# Altium PCB ALCT_MEZ_LX150T.PcbDoc (part 1 of 8) (continued)
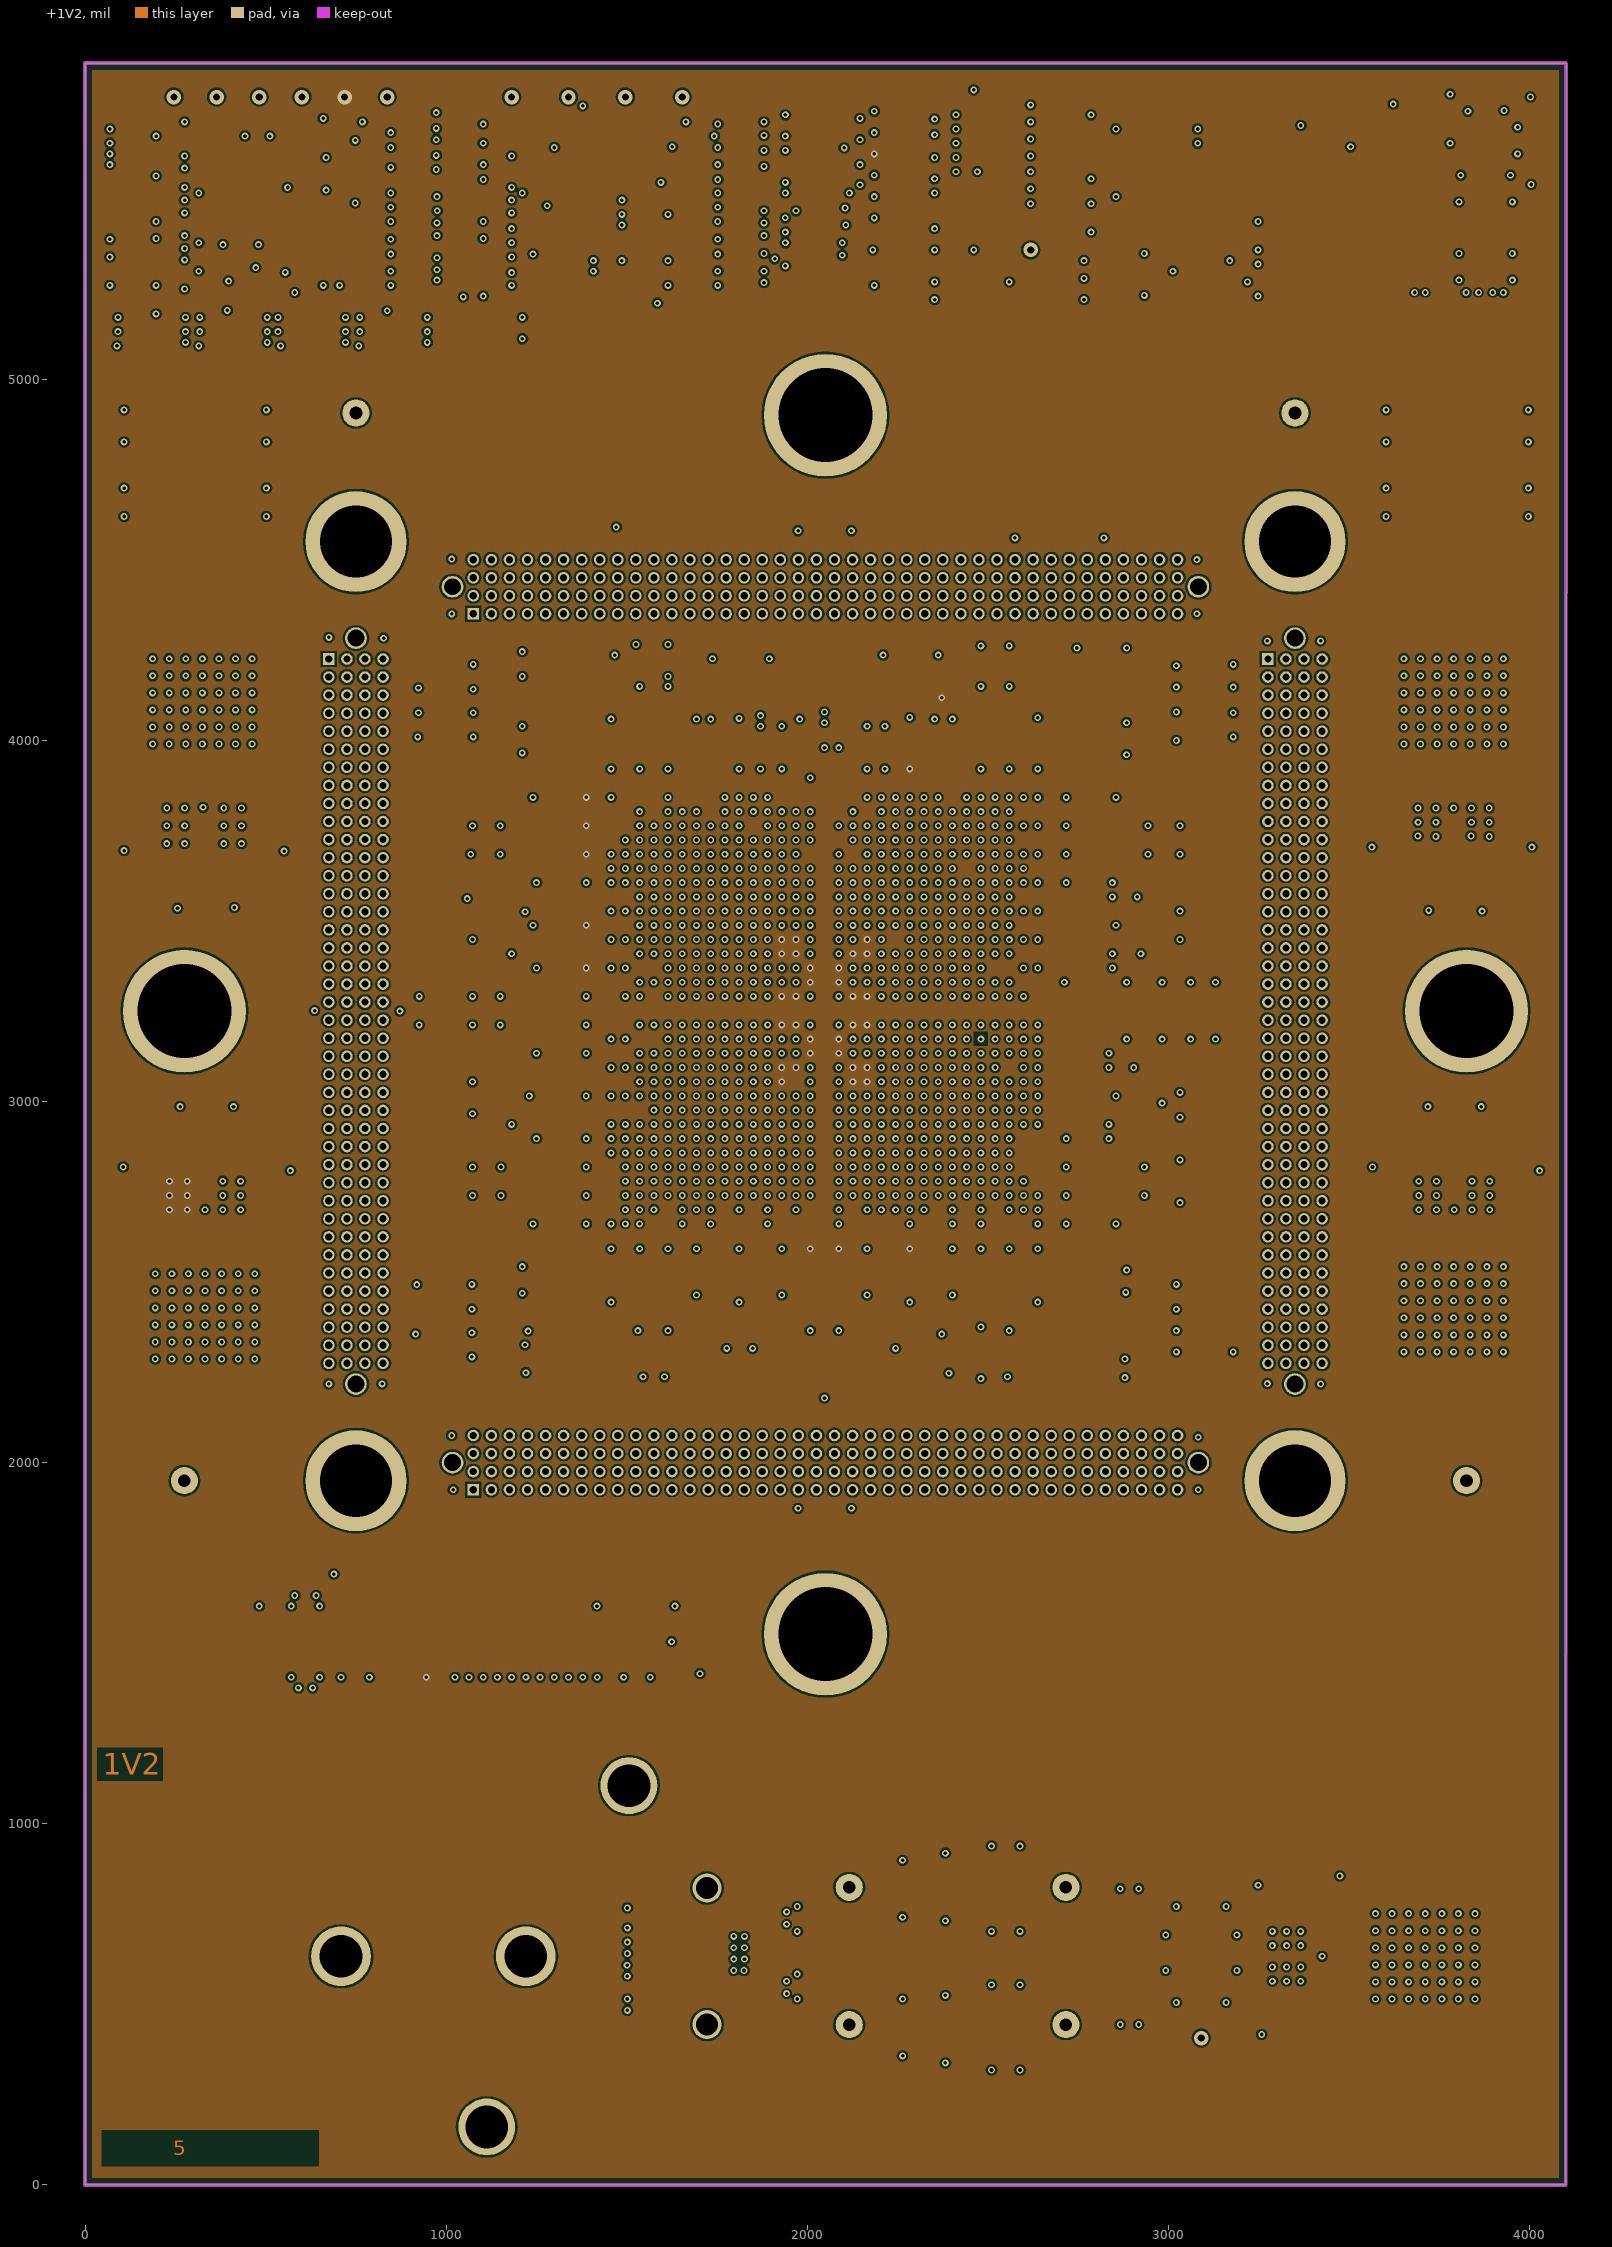
[diagram p5: +1V2]
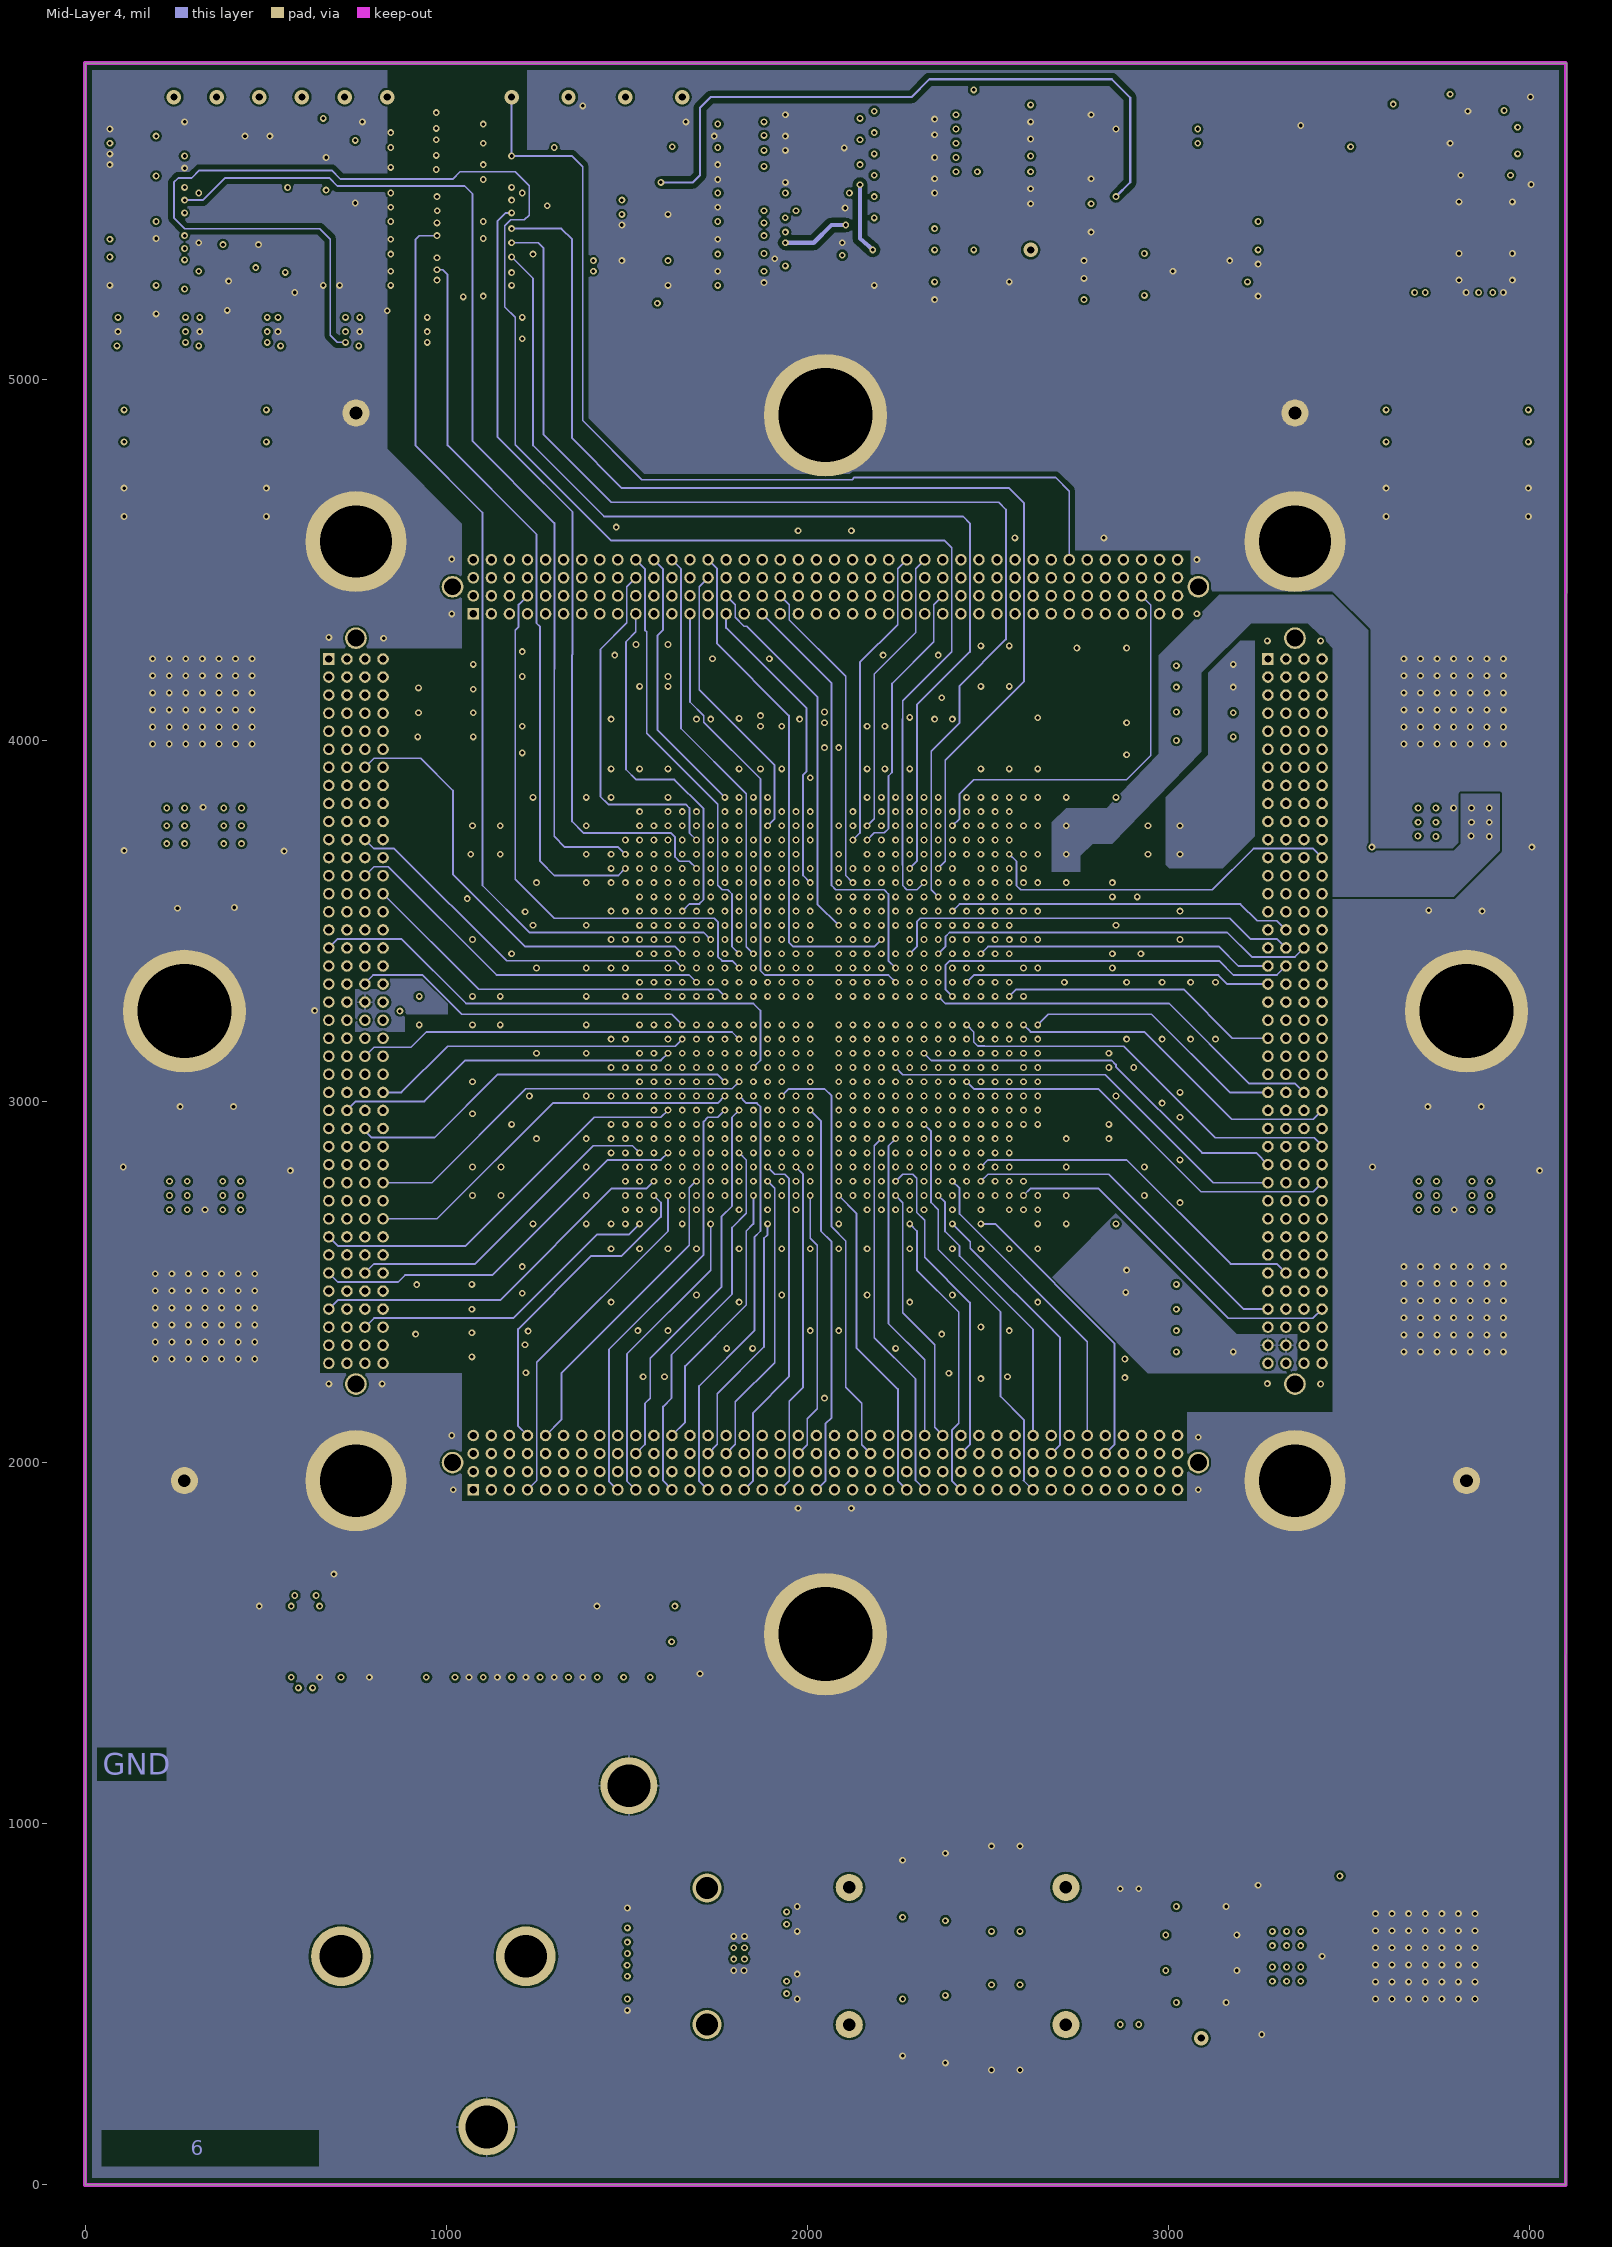
[diagram p6: Mid-Layer 4]
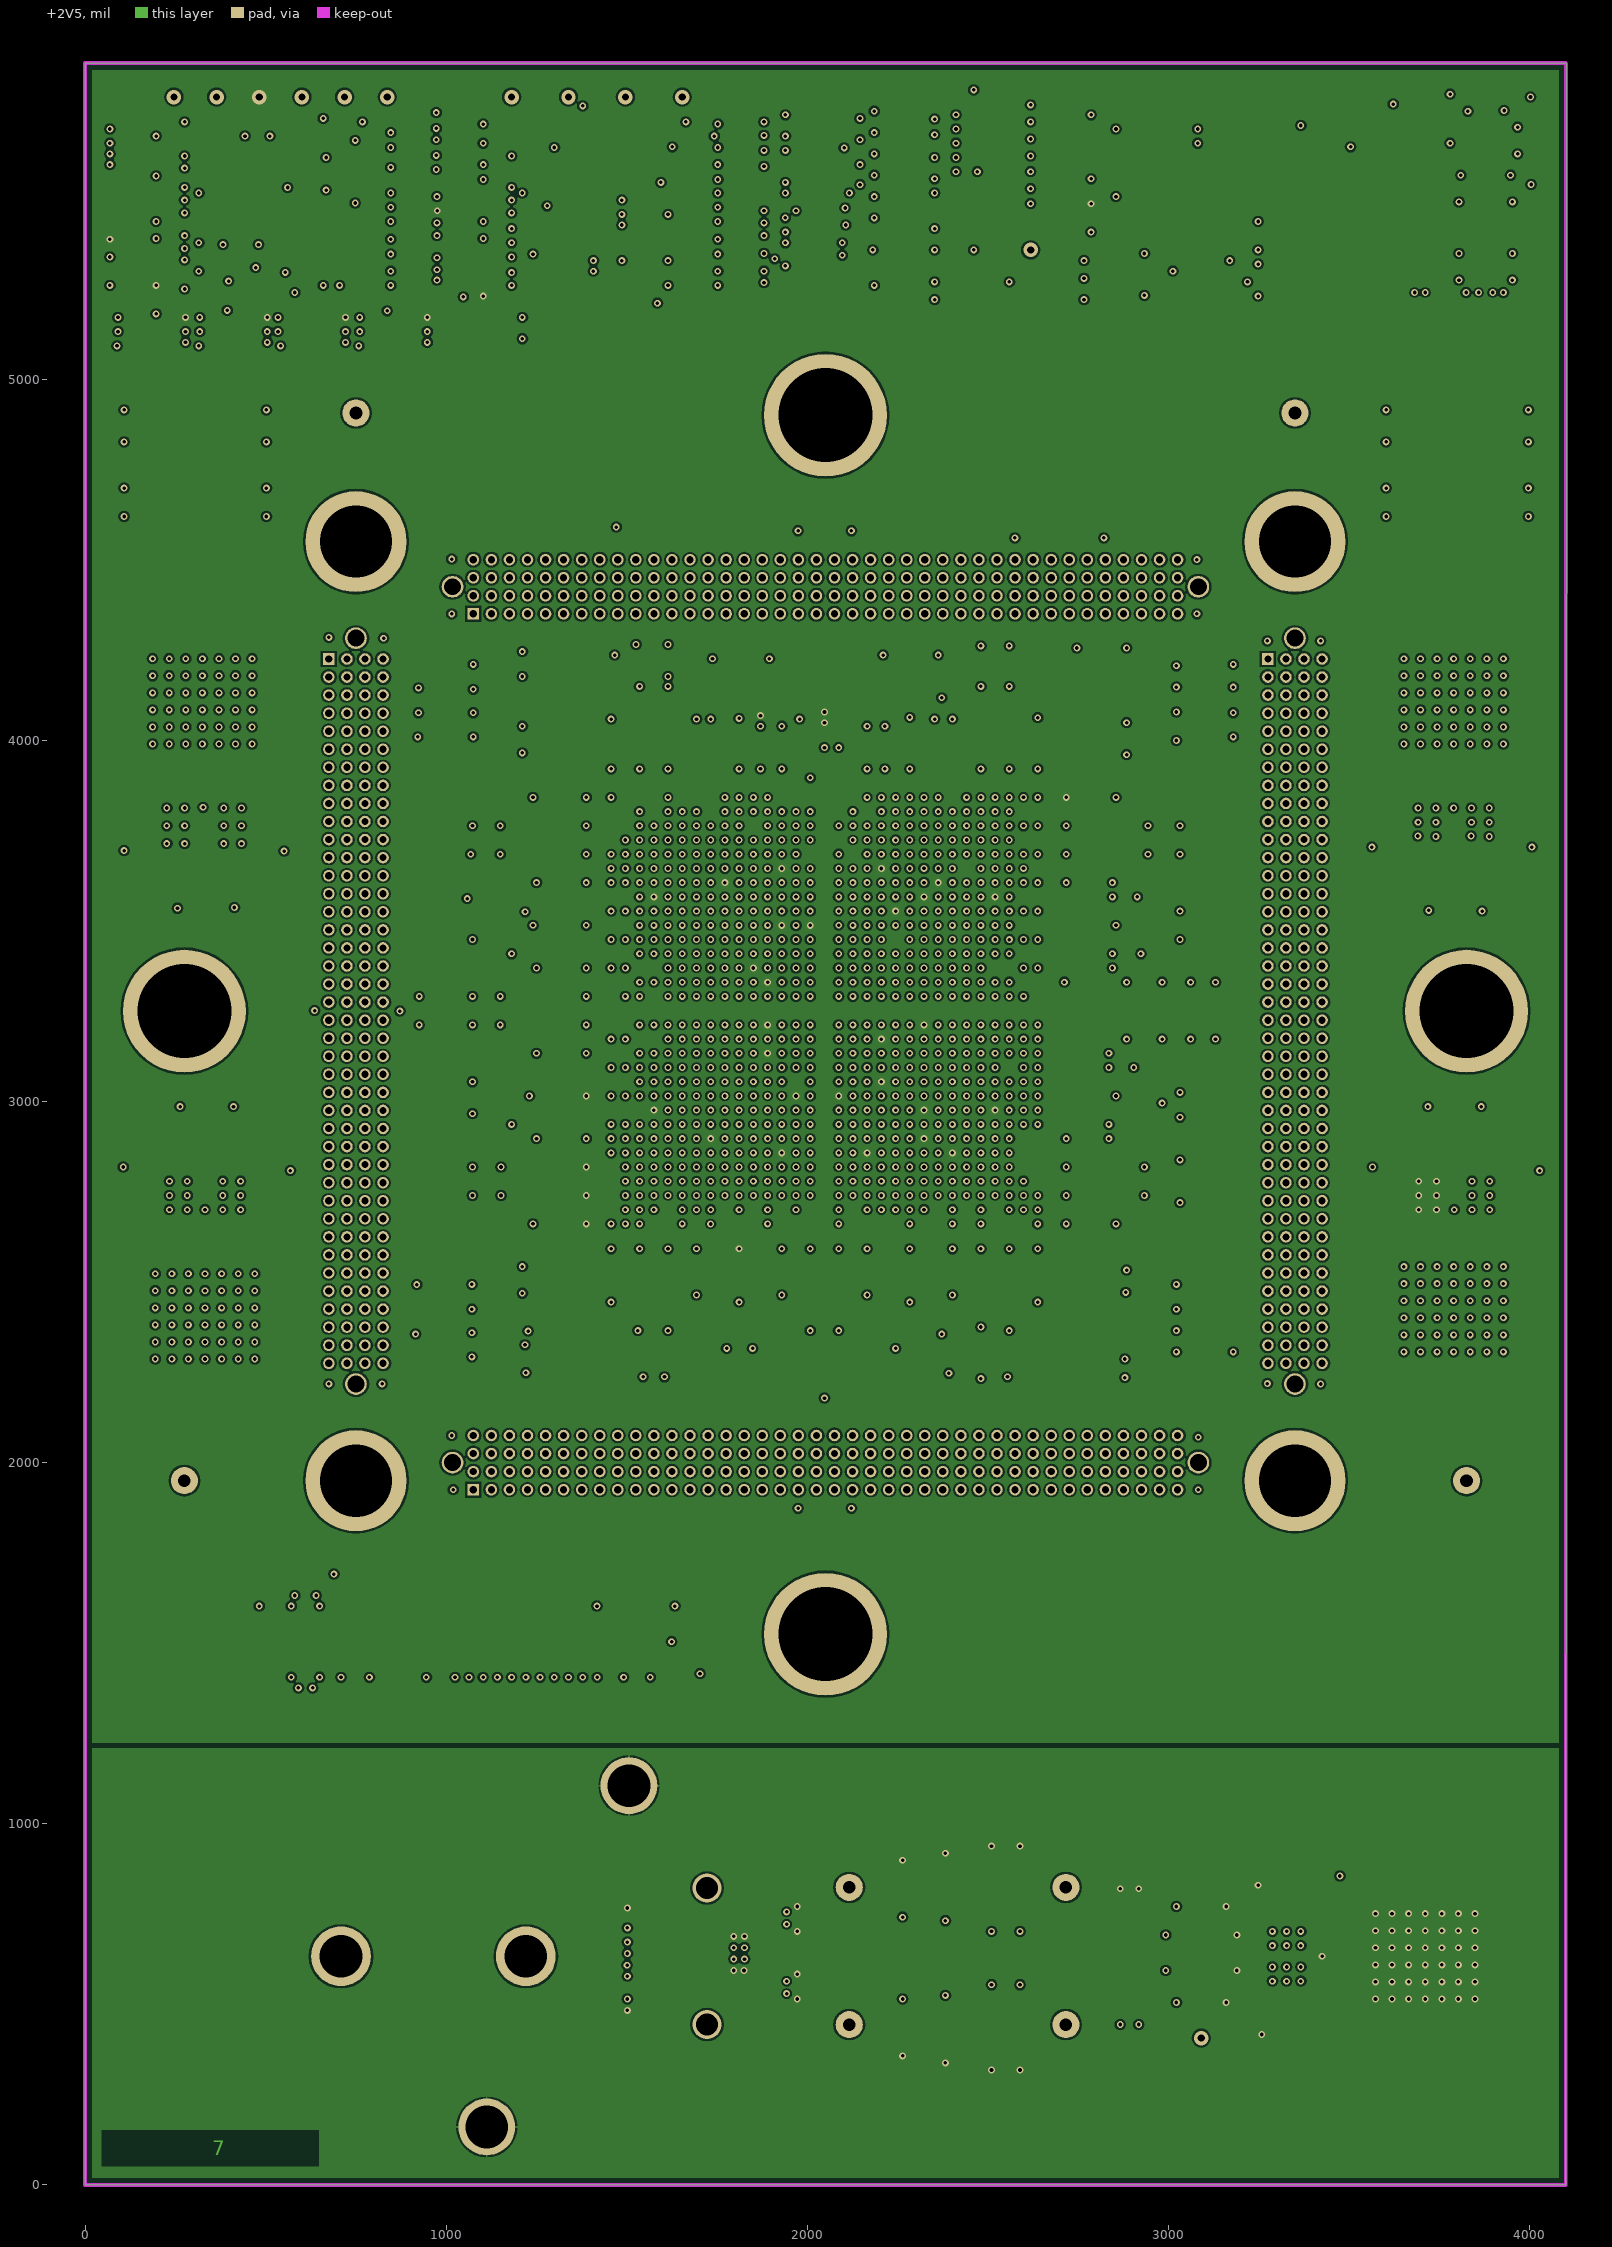
[diagram p7: +2V5]
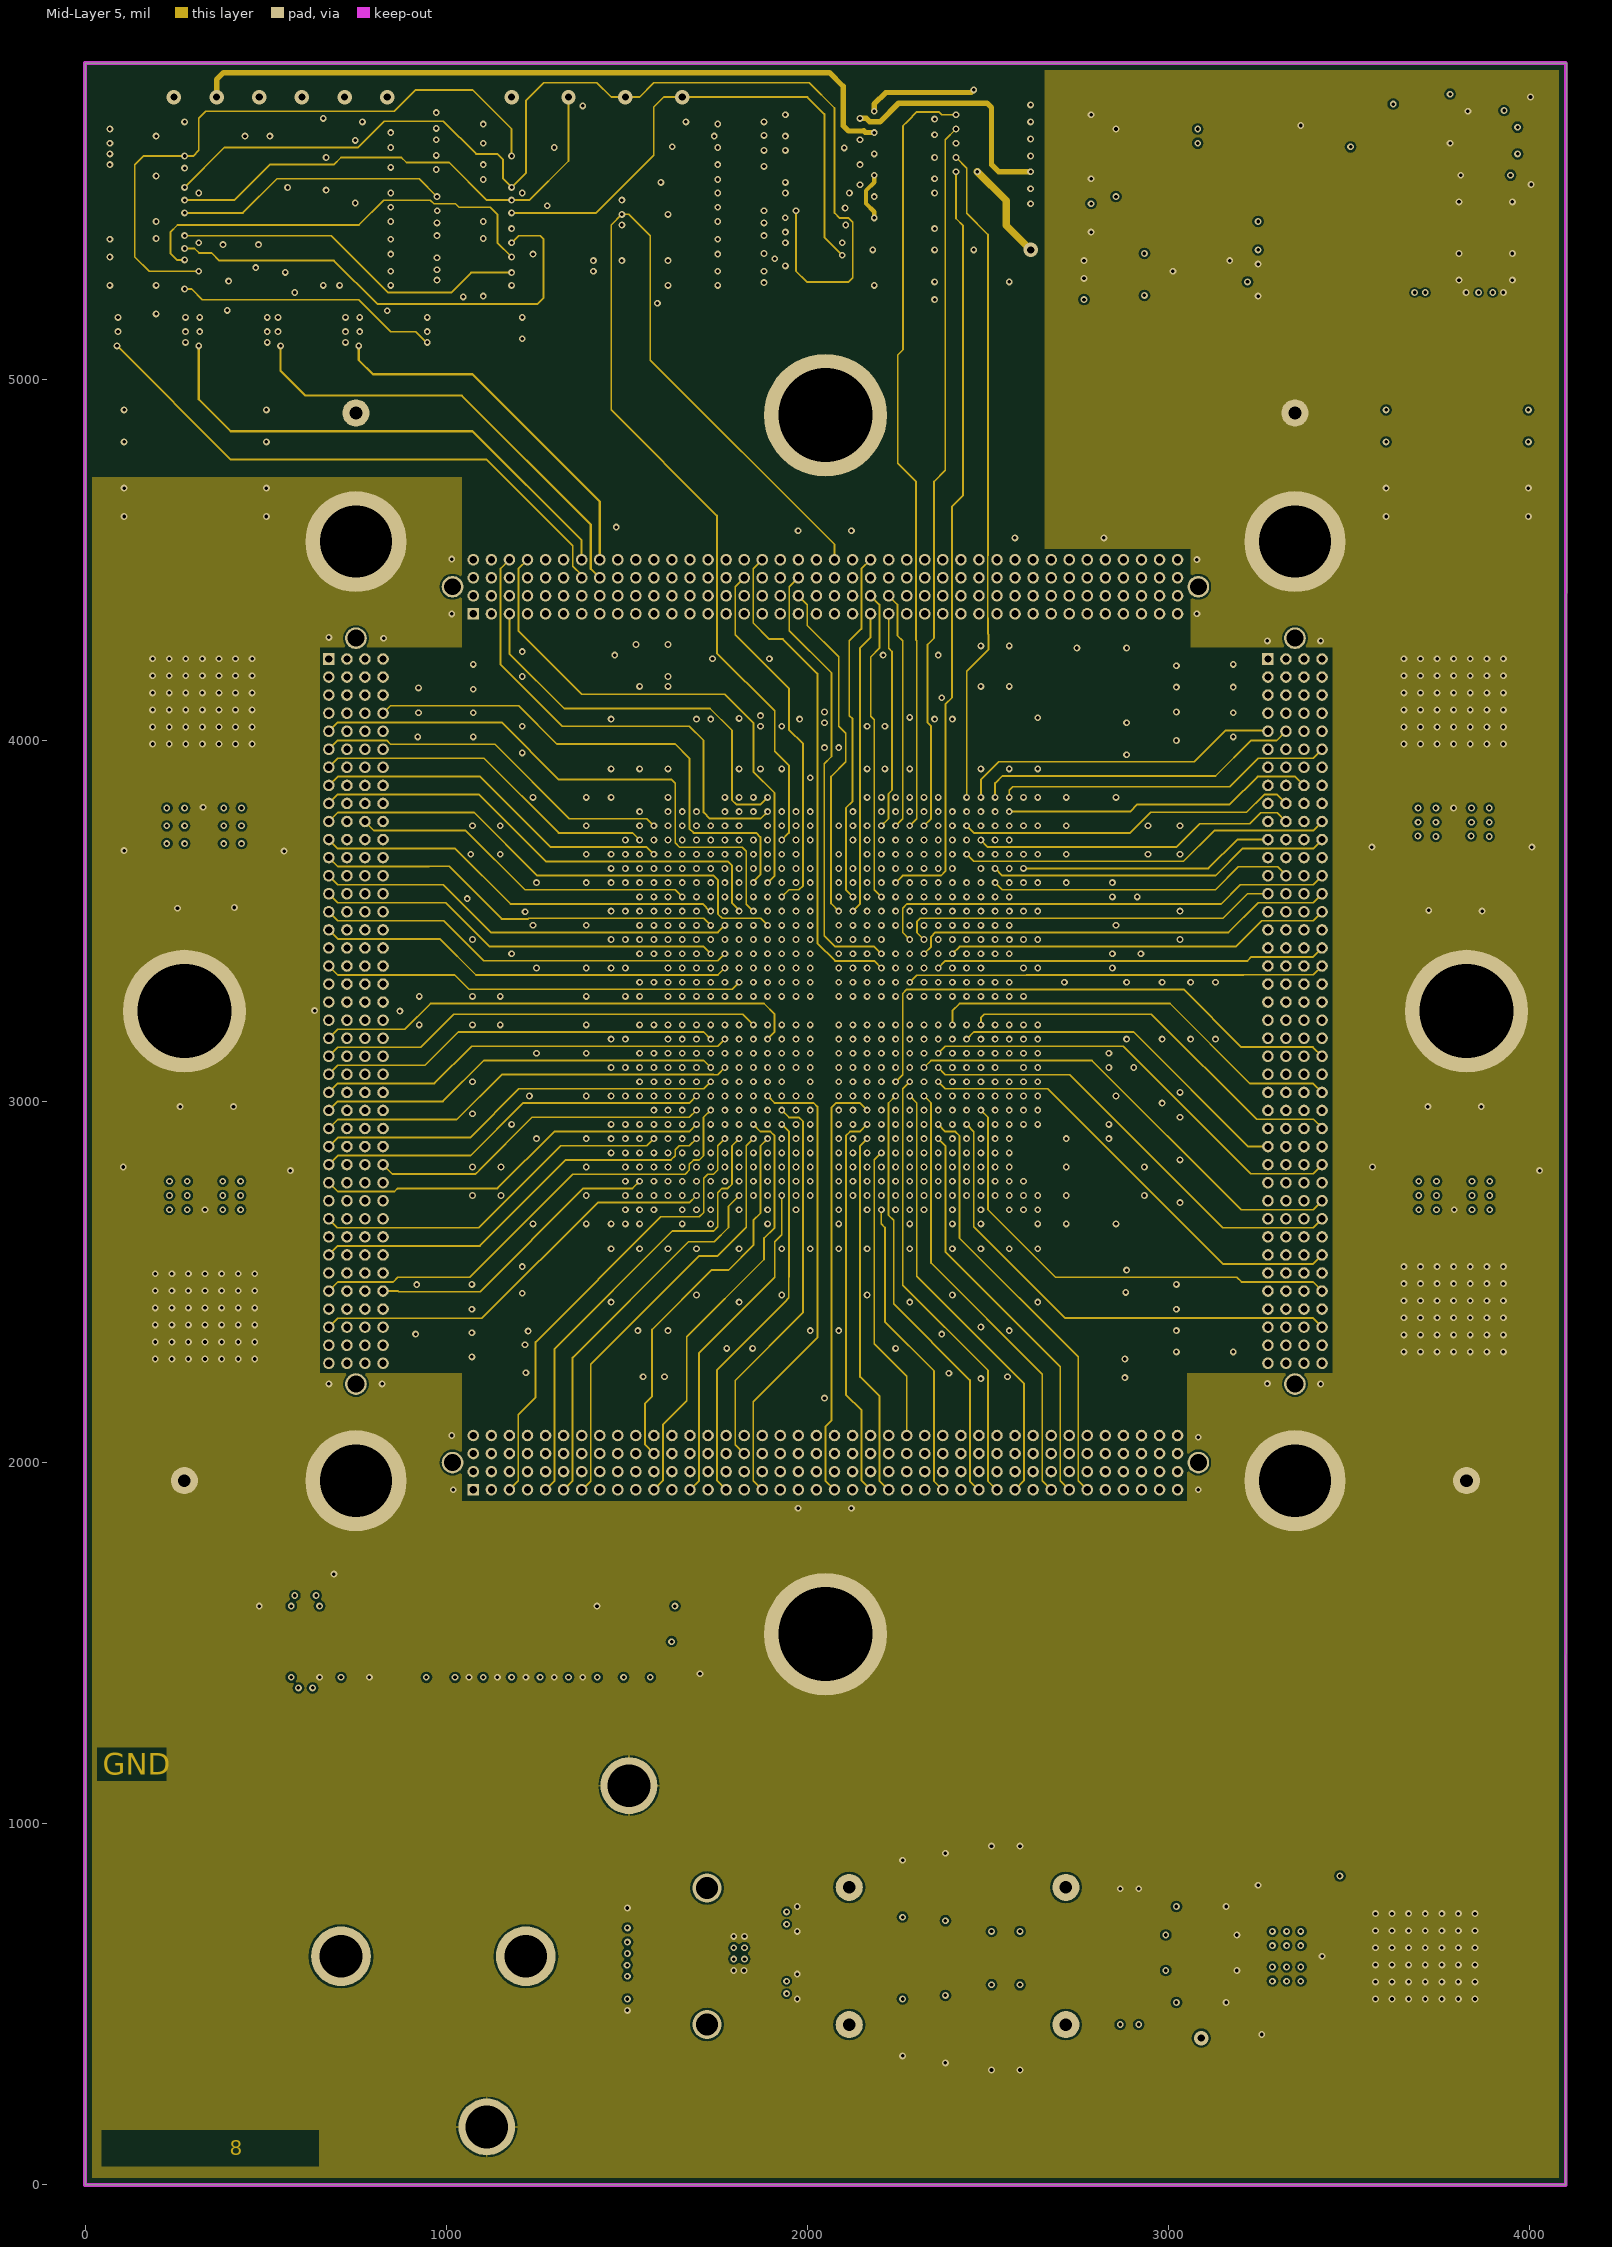
[diagram p8: Mid-Layer 5]
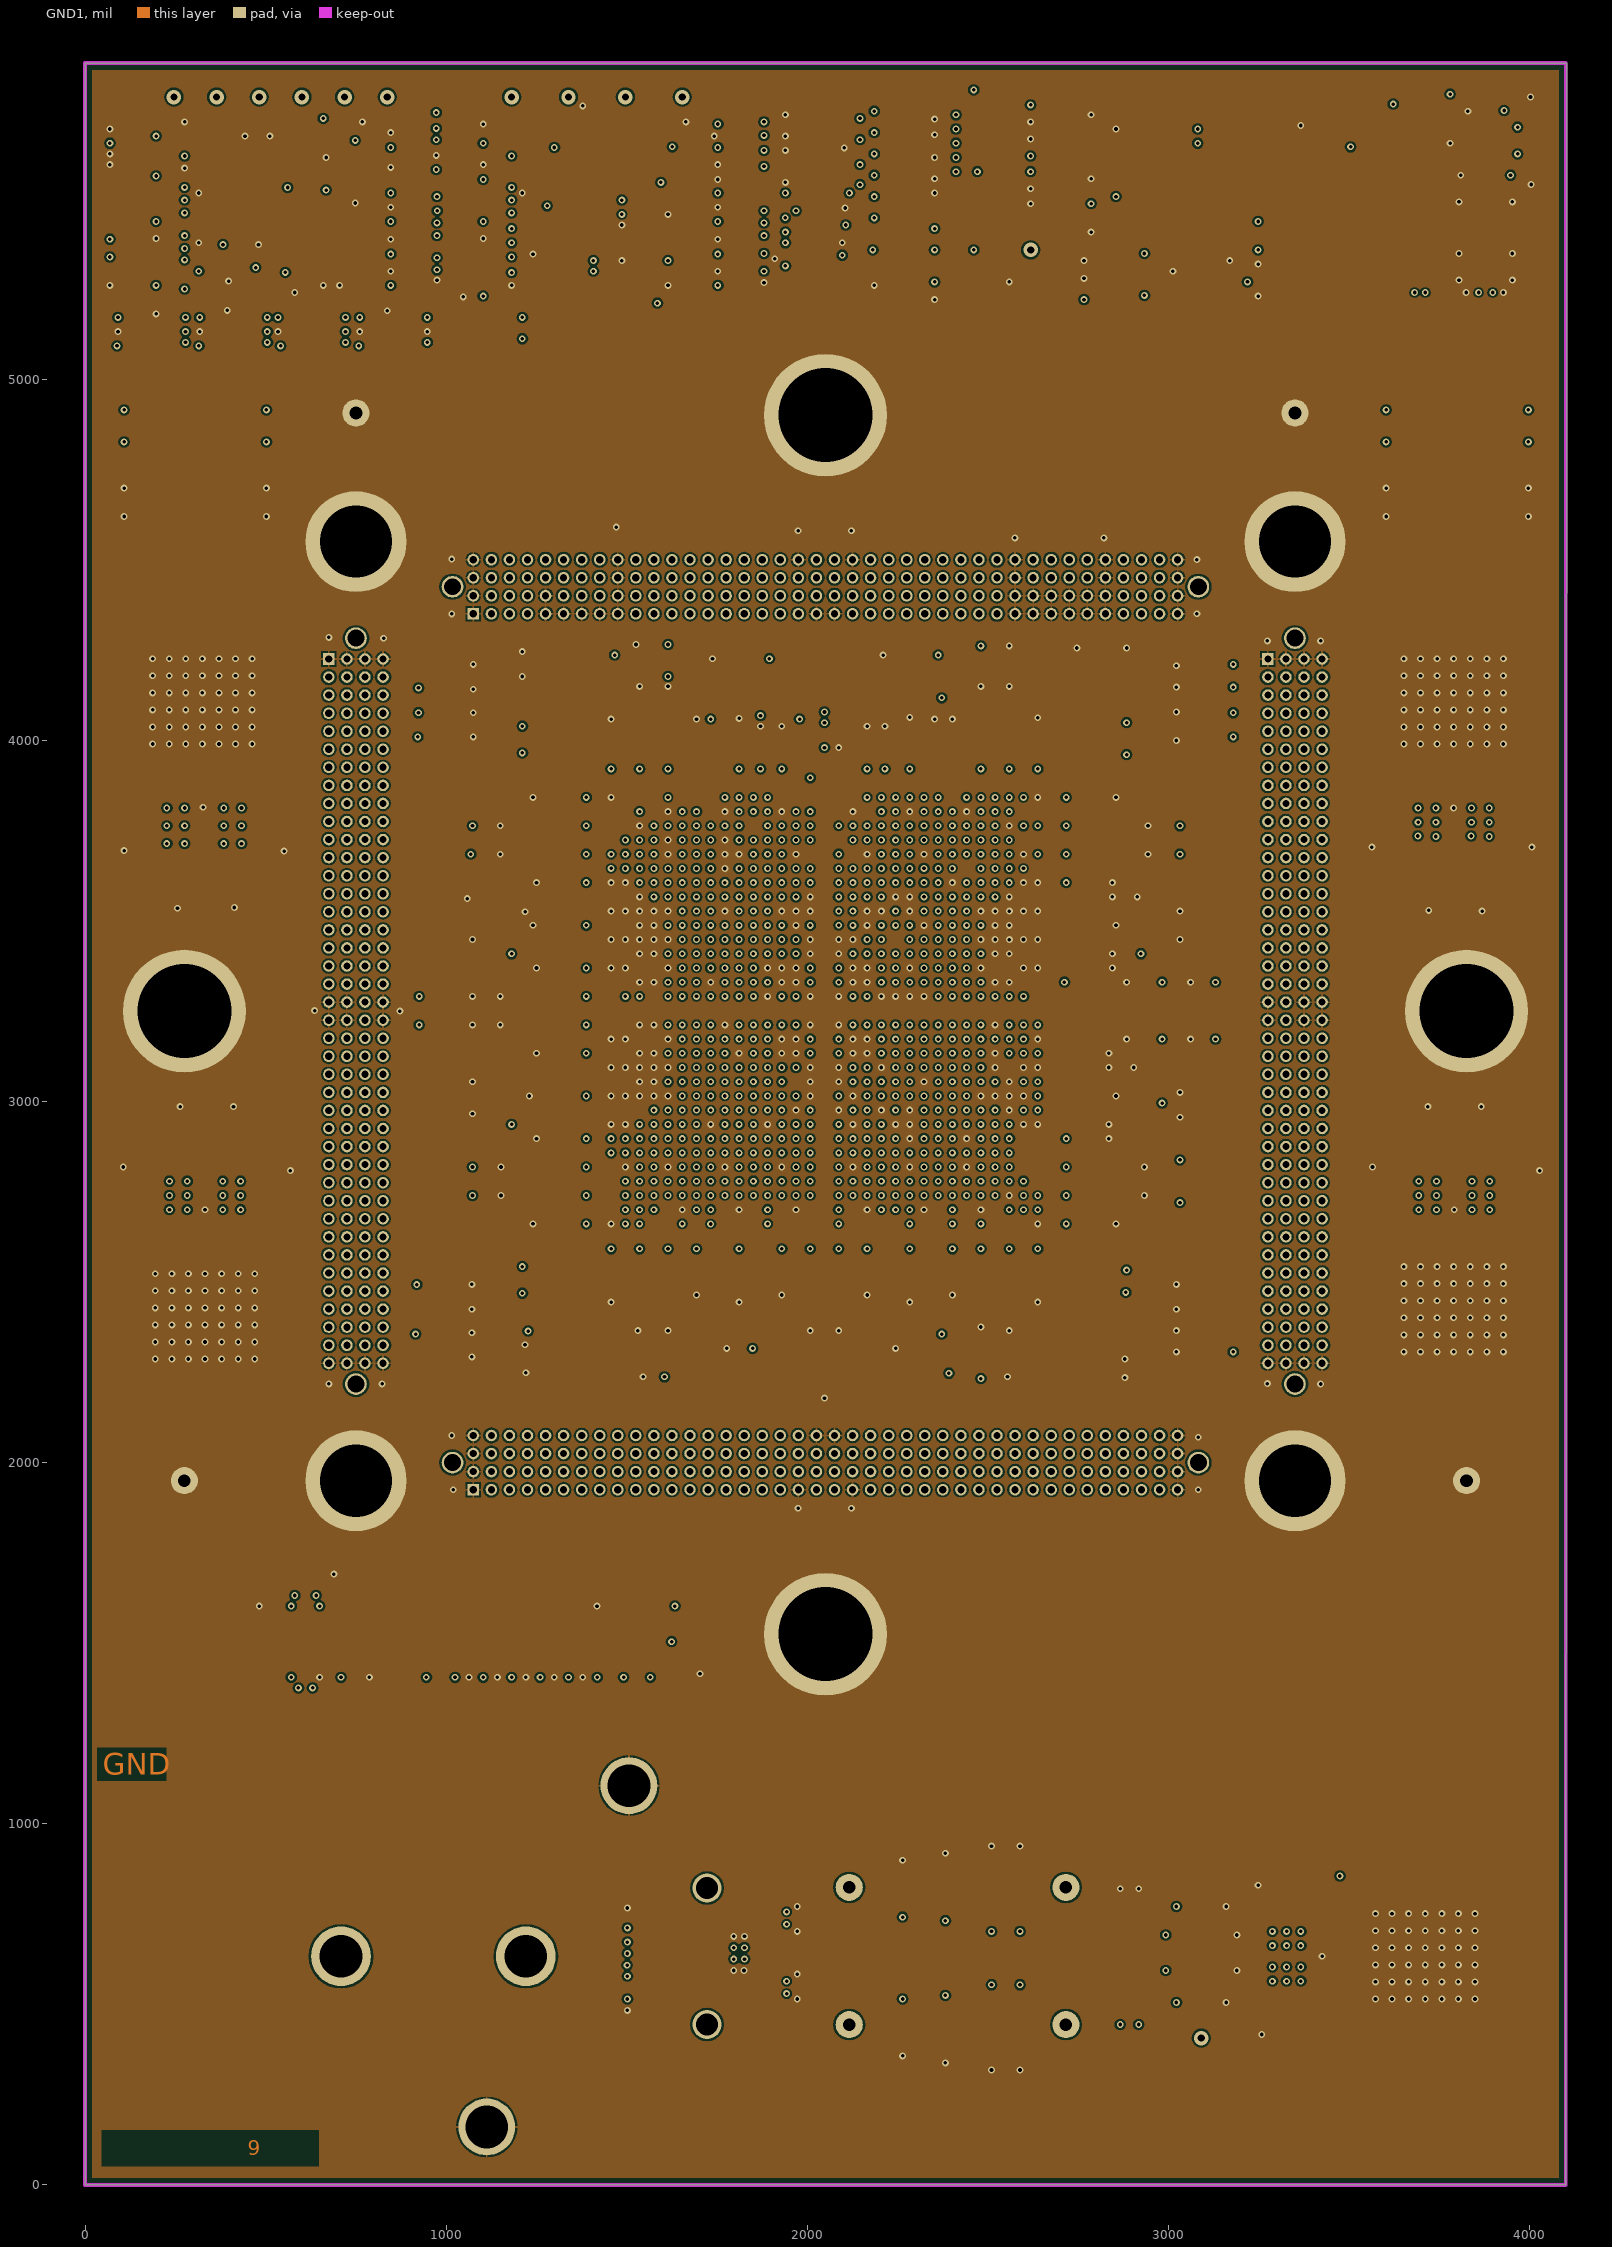
[diagram p9: GND1]